# KiCad board poly_kb_molecule_8x5.kicad_pcb (continued)
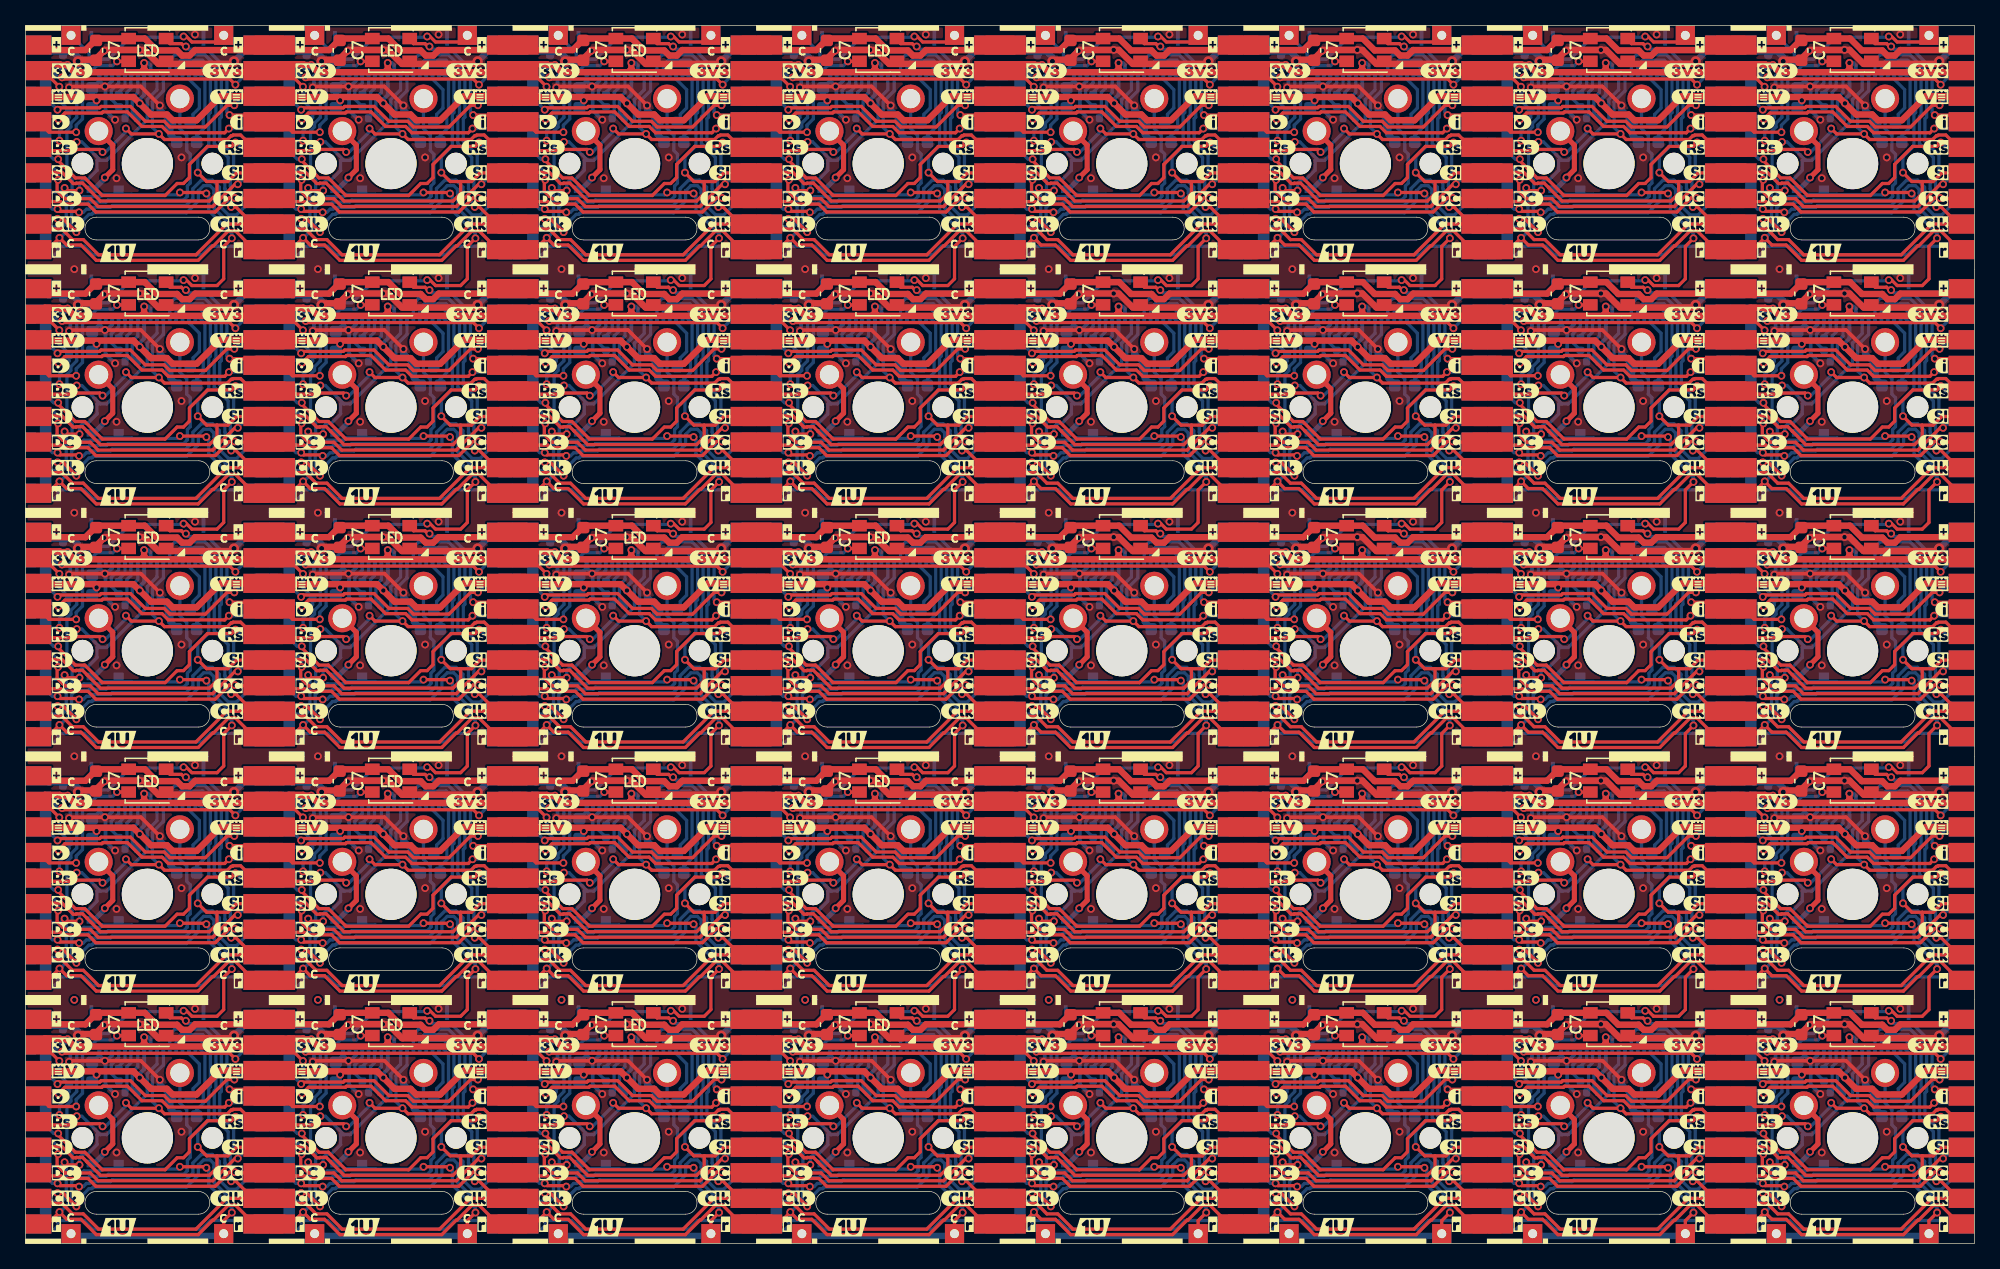
[diagram p0: board, top side]
## Routing (per net, layer and track width the routed paths; a pad name or vN(x,y) marks a point on that pad's centre or on a via; arc(x,y) is an arc through that point) (continued)
CS1: length 778
  Top w0.254: v1(98.1,53.1) 98.23,52.97 111.21,52.97 v1(111.66,52.53) ; v1(21.9,91.2) 22.03,91.07 35.01,91.07 v1(35.46,90.63) ; v1(54.51,90.63) 54.06,91.07 41.08,91.07 v1(40.95,91.2) ; v1(117.15,15) 117.28,14.87 130.26,14.87 v1(130.71,14.43) ; v1(149.76,90.63) 149.31,91.07 136.33,91.07 v1(136.2,91.2) ; v1(136.2,53.1) 136.33,52.97 149.31,52.97 v1(149.76,52.53) ; v1(35.46,14.43) 35.01,14.87 22.03,14.87 v1(21.9,15) ; v1(35.46,33.48) 35.01,33.92 22.03,33.92 v1(21.9,34.05) ; v1(92.61,71.58) 92.16,72.02 79.18,72.02 v1(79.05,72.15) ; v1(130.71,71.58) 130.26,72.02 117.28,72.02 v1(117.15,72.15) ; v1(60,34.05) 60.13,33.92 73.11,33.92 v1(73.56,33.48) ; v1(130.71,90.63) 130.26,91.07 117.28,91.07 v1(117.15,91.2) ; v1(60,91.2) 60.13,91.07 73.11,91.07 v1(73.56,90.63) ; v1(35.46,71.58) 35.01,72.02 22.03,72.02 v1(21.9,72.15) ; v1(73.56,52.53) 73.11,52.97 60.13,52.97 v1(60,53.1) ; v1(136.2,72.15) 136.33,72.02 149.31,72.02 v1(149.76,71.58) ; v1(117.15,53.1) 117.28,52.97 130.26,52.97 v1(130.71,52.53) ; v1(136.2,15) 136.33,14.87 149.31,14.87 v1(149.76,14.43) ; v1(2.85,53.1) 2.98,52.97 15.96,52.97 v1(16.41,52.53) ; v1(130.71,33.48) 130.26,33.92 117.28,33.92 v1(117.15,34.05) ; v1(79.05,15) 79.18,14.87 92.16,14.87 v1(92.61,14.43) ; v1(21.9,53.1) 22.03,52.97 35.01,52.97 v1(35.46,52.53) ; v1(98.1,34.05) 98.23,33.92 111.21,33.92 v1(111.66,33.48) ; v1(98.1,15) 98.23,14.87 111.21,14.87 v1(111.66,14.43) ; v1(98.1,91.2) 98.23,91.07 111.21,91.07 v1(111.66,90.63) ; v1(73.56,14.43) 73.11,14.87 60.13,14.87 v1(60,15) ; v1(111.66,71.58) 111.21,72.02 98.23,72.02 v1(98.1,72.15) ; v1(149.76,33.48) 149.31,33.92 136.33,33.92 v1(136.2,34.05) ; v1(79.05,91.2) 79.18,91.07 92.16,91.07 v1(92.61,90.63) ; v1(79.05,53.1) 79.18,52.97 92.16,52.97 v1(92.61,52.53) ; v1(54.51,71.58) 54.06,72.02 41.08,72.02 v1(40.95,72.15) ; v1(16.41,14.43) 15.96,14.87 2.98,14.87 v1(2.85,15) ; v1(16.41,71.58) 15.96,72.02 2.98,72.02 v1(2.85,72.15) ; v1(54.51,52.53) 54.06,52.97 41.08,52.97 v1(40.95,53.1) ; v1(79.05,34.05) 79.18,33.92 92.16,33.92 v1(92.61,33.48) ; v1(16.41,33.48) 15.96,33.92 2.98,33.92 v1(2.85,34.05) ; v1(54.51,33.48) 54.06,33.92 41.08,33.92 v1(40.95,34.05) ; v1(54.51,14.43) 54.06,14.87 41.08,14.87 v1(40.95,15) ; v1(2.85,91.2) 2.98,91.07 15.96,91.07 v1(16.41,90.63) ; v1(60,72.15) 60.13,72.02 73.11,72.02 v1(73.56,71.58)
  Bottom w0.254: v1(54.51,90.63) 55.61,91.72 55.88,91.72 ; v1(117.15,15) 116.82,15 116.62,15.2 116.62,15.77 116.43,15.96 116,15.96 115.57,15.53 ; 17.78,15.53 17.51,15.53 v1(16.41,14.43) ; 20.32,15.53 20.75,15.96 21.18,15.96 21.37,15.77 21.37,15.2 21.57,15 v1(21.9,15) ; 1.27,15.53 1.7,15.96 2.13,15.96 2.32,15.77 2.32,15.2 2.52,15 v1(2.85,15) ; 113.03,72.67 112.76,72.67 v1(111.66,71.58) ; v1(60,15) 59.67,15 59.47,15.2 59.47,15.77 59.28,15.96 58.85,15.96 58.42,15.53 ; 132.08,34.58 131.81,34.58 v1(130.71,33.48) ; v1(60,53.1) 59.67,53.1 59.47,53.3 59.47,53.87 59.28,54.06 58.85,54.06 58.42,53.62 ; 74.93,34.58 74.66,34.58 v1(73.56,33.48) ; 74.93,72.67 74.66,72.67 v1(73.56,71.58) ; v1(136.2,34.05) 135.87,34.05 135.67,34.25 135.67,34.82 135.48,35.01 135.05,35.01 134.62,34.58 ; 115.57,34.58 116,35.01 116.43,35.01 116.62,34.82 116.62,34.25 116.82,34.05 v1(117.15,34.05) ; 1.27,53.62 1.7,54.06 2.13,54.06 2.32,53.87 2.32,53.3 2.52,53.1 v1(2.85,53.1) ; v1(92.61,90.63) 93.71,91.72 93.98,91.72 ; v1(117.15,72.15) 116.82,72.15 116.62,72.35 116.62,72.92 116.43,73.11 116,73.11 115.57,72.67 ; 39.37,15.53 39.8,15.96 40.23,15.96 40.42,15.77 40.42,15.2 40.62,15 v1(40.95,15) ; 132.08,91.72 131.81,91.72 v1(130.71,90.63) ; 17.78,91.72 17.51,91.72 v1(16.41,90.63) ; v1(40.95,91.2) 40.62,91.2 40.42,91.4 40.42,91.97 40.23,92.16 39.8,92.16 39.37,91.72 ; 1.27,91.72 1.7,92.16 2.13,92.16 2.32,91.97 2.32,91.4 2.52,91.2 v1(2.85,91.2) ; v1(79.05,72.15) 78.72,72.15 78.52,72.35 78.52,72.92 78.33,73.11 77.9,73.11 77.47,72.67 ; v1(98.1,15) 97.77,15 97.57,15.2 97.57,15.77 97.38,15.96 96.95,15.96 96.52,15.53 ; 96.52,53.62 96.95,54.06 97.38,54.06 97.57,53.87 97.57,53.3 97.77,53.1 v1(98.1,53.1) ; v1(79.05,53.1) 78.72,53.1 78.52,53.3 78.52,53.87 78.33,54.06 77.9,54.06 77.47,53.62 ; 55.88,72.67 55.61,72.67 v1(54.51,71.58) ; v1(73.56,90.63) 74.66,91.72 74.93,91.72 ; v1(73.56,52.53) 74.66,53.62 74.93,53.62 ; v1(98.1,72.15) 97.77,72.15 97.57,72.35 97.57,72.92 97.38,73.11 96.95,73.11 96.52,72.67 ; v1(136.2,72.15) 135.87,72.15 135.67,72.35 135.67,72.92 135.48,73.11 135.05,73.11 134.62,72.67 ; v1(16.41,52.53) 17.51,53.62 17.78,53.62 ; v1(40.95,53.1) 40.62,53.1 40.42,53.3 40.42,53.87 40.23,54.06 39.8,54.06 39.37,53.62 ; 55.88,15.53 55.61,15.53 v1(54.51,14.43) ; v1(60,91.2) 59.67,91.2 59.47,91.4 59.47,91.97 59.28,92.16 58.85,92.16 58.42,91.72 ; v1(111.66,33.48) 112.76,34.58 113.03,34.58 ; v1(73.56,14.43) 74.66,15.53 74.93,15.53 ; v1(54.51,52.53) 55.61,53.62 55.88,53.62 ; 58.42,34.58 58.85,35.01 59.28,35.01 59.47,34.82 59.47,34.25 59.67,34.05 v1(60,34.05) ; v1(35.46,33.48) 36.56,34.58 36.83,34.58 ; v1(21.9,91.2) 21.57,91.2 21.37,91.4 21.37,91.97 21.18,92.16 20.75,92.16 20.32,91.72 ; 134.62,91.72 135.05,92.16 135.48,92.16 135.67,91.97 135.67,91.4 135.87,91.2 v1(136.2,91.2) ; 151.13,53.62 150.86,53.62 v1(149.76,52.53) ; v1(136.2,15) 135.87,15 135.67,15.2 135.67,15.77 135.48,15.96 135.05,15.96 134.62,15.53 ; 93.98,34.58 93.71,34.58 v1(92.61,33.48) ; v1(60,72.15) 59.67,72.15 59.47,72.35 59.47,72.92 59.28,73.11 58.85,73.11 58.42,72.67 ; v1(117.15,91.2) 116.82,91.2 116.62,91.4 116.62,91.97 116.43,92.16 116,92.16 115.57,91.72 ; v1(16.41,33.48) 17.51,34.58 17.78,34.58 ; v1(111.66,52.53) 112.76,53.62 113.03,53.62 ; v1(2.85,34.05) 2.52,34.05 2.32,34.25 2.32,34.82 2.13,35.01 1.7,35.01 1.27,34.58 ; 151.13,91.72 150.86,91.72 v1(149.76,90.63) ; 115.57,53.62 116,54.06 116.43,54.06 116.62,53.87 116.62,53.3 116.82,53.1 v1(117.15,53.1) ; v1(21.9,72.15) 21.57,72.15 21.37,72.35 21.37,72.92 21.18,73.11 20.75,73.11 20.32,72.67 ; v1(35.46,71.58) 36.56,72.67 36.83,72.67 ; v1(35.46,52.53) 36.56,53.62 36.83,53.62 ; v1(54.51,33.48) 55.61,34.58 55.88,34.58 ; 36.83,15.53 36.56,15.53 v1(35.46,14.43) ; v1(21.9,34.05) 21.57,34.05 21.37,34.25 21.37,34.82 21.18,35.01 20.75,35.01 20.32,34.58 ; 20.32,53.62 20.75,54.06 21.18,54.06 21.37,53.87 21.37,53.3 21.57,53.1 v1(21.9,53.1) ; v1(130.71,14.43) 131.81,15.53 132.08,15.53 ; 77.47,15.53 77.9,15.96 78.33,15.96 78.52,15.77 78.52,15.2 78.72,15 v1(79.05,15) ; 151.13,34.58 150.86,34.58 v1(149.76,33.48) ; v1(35.46,90.63) 36.56,91.72 36.83,91.72 ; 17.78,72.67 17.51,72.67 v1(16.41,71.58) ; 77.47,91.72 77.9,92.16 78.33,92.16 78.52,91.97 78.52,91.4 78.72,91.2 v1(79.05,91.2) ; v1(136.2,53.1) 135.87,53.1 135.67,53.3 135.67,53.87 135.48,54.06 135.05,54.06 134.62,53.62 ; 132.08,72.67 131.81,72.67 v1(130.71,71.58) ; 39.37,72.67 39.8,73.11 40.23,73.11 40.42,72.92 40.42,72.35 40.62,72.15 v1(40.95,72.15) ; 39.37,34.58 39.8,35.01 40.23,35.01 40.42,34.82 40.42,34.25 40.62,34.05 v1(40.95,34.05) ; v1(92.61,14.43) 93.71,15.53 93.98,15.53 ; 151.13,15.53 150.86,15.53 v1(149.76,14.43) ; v1(111.66,90.63) 112.76,91.72 113.03,91.72 ; 77.47,34.58 77.9,35.01 78.33,35.01 78.52,34.82 78.52,34.25 78.72,34.05 v1(79.05,34.05) ; 132.08,53.62 131.81,53.62 v1(130.71,52.53) ; 96.52,34.58 96.95,35.01 97.38,35.01 97.57,34.82 97.57,34.25 97.77,34.05 v1(98.1,34.05) ; 96.52,91.72 96.95,92.16 97.38,92.16 97.57,91.97 97.57,91.4 97.77,91.2 v1(98.1,91.2) ; v1(111.66,14.43) 112.76,15.53 113.03,15.53 ; 93.98,53.62 93.71,53.62 v1(92.61,52.53) ; v1(2.85,72.15) 2.52,72.15 2.32,72.35 2.32,72.92 2.13,73.11 1.7,73.11 1.27,72.67 ; v1(92.61,71.58) 93.71,72.67 93.98,72.67 ; v1(149.76,71.58) 150.86,72.67 151.13,72.67
  Bottom w1.5: J6#7.2 J5#38.2 ; J6#37.2 J5#16.2 ; J6#12.2 J5#23.2 ; J6#32.2 J5#14.2 ; J6#34.2 J5#39.2 ; J6#26.2 J5#6.2 ; J6#13.2 J5#22.2 ; J6#39.2 J5#40.2 ; J6#40.2 J5#19.2 ; J6#15.2 J5#11.2 ; J6#3.2 J5#25.2 ; J6#6.2 J5#33.2 ; J6#2.2 J5#35.2 ; J6#8.2 J5#5.2 ; J6#30.2 J5#36.2 ; J6#22.2 J5#24.2 ; J6#29.2 J5#26.2 ; J6.2 J5#32.2 ; J6#31.2 J5#18.2 ; J6#18.2 J5#37.2 ; J6#14.2 J5#12.2 ; J6#10.2 J5#15.2 ; J6#28.2 J5#10.2 ; J6#21.2 J5#17.2 ; J6#23.2 J5#8.2 ; J6#11.2 J5#31.2 ; J6#35.2 J5#13.2 ; J6#4.2 J5#2.2 ; J6#27.2 J5#4.2 ; J6#20.2 J5#20.2 ; J6#17.2 J5#29.2 ; J6#16.2 J5#9.2 ; J6#36.2 J5#30.2 ; J6#25.2 J5#7.2 ; J6#19.2 J5#28.2
CS2: length 762.6
  Top w0.254: v1(73.47,50.92) 72.91,50.92 71.21,49.22 68.43,49.22 67.99,49.66 66.51,49.66 65.35,50.83 63.05,50.83 62.94,50.72 59.79,50.72 v1(59.65,50.57) ; v1(59.65,12.47) 59.79,12.62 62.94,12.62 63.05,12.73 65.35,12.73 66.51,11.56 67.99,11.56 68.43,11.12 71.21,11.12 72.91,12.82 v1(73.47,12.82) ; v1(149.67,31.87) 149.11,31.87 147.41,30.17 144.63,30.17 144.19,30.61 142.71,30.61 141.55,31.78 139.25,31.78 139.14,31.67 135.99,31.67 v1(135.85,31.52) ; v1(97.75,88.67) 97.89,88.82 101.04,88.82 101.15,88.93 103.45,88.93 104.61,87.76 106.09,87.76 106.53,87.32 109.31,87.32 111.01,89.02 v1(111.57,89.02) ; v1(54.42,69.97) 53.86,69.97 52.16,68.27 49.38,68.27 48.94,68.71 47.46,68.71 46.3,69.88 44,69.88 43.89,69.77 40.74,69.77 v1(40.6,69.62) ; v1(35.37,89.02) 34.81,89.02 33.11,87.32 30.33,87.32 29.89,87.76 28.41,87.76 27.25,88.93 24.95,88.93 24.84,88.82 21.69,88.82 v1(21.55,88.67) ; v1(2.5,12.47) 2.64,12.62 5.79,12.62 5.9,12.73 8.2,12.73 9.36,11.56 10.84,11.56 11.28,11.12 14.06,11.12 15.76,12.82 v1(16.32,12.82) ; v1(97.75,69.62) 97.89,69.77 101.04,69.77 101.15,69.88 103.45,69.88 104.61,68.71 106.09,68.71 106.53,68.27 109.31,68.27 111.01,69.97 v1(111.57,69.97) ; v1(97.75,12.47) 97.89,12.62 101.04,12.62 101.15,12.73 103.45,12.73 104.61,11.56 106.09,11.56 106.53,11.12 109.31,11.12 111.01,12.82 v1(111.57,12.82) ; v1(78.7,31.52) 78.84,31.67 81.99,31.67 82.1,31.78 84.4,31.78 85.56,30.61 87.04,30.61 87.48,30.17 90.26,30.17 91.96,31.87 v1(92.52,31.87) ; v1(78.7,88.67) 78.84,88.82 81.99,88.82 82.1,88.93 84.4,88.93 85.56,87.76 87.04,87.76 87.48,87.32 90.26,87.32 91.96,89.02 v1(92.52,89.02) ; v1(116.8,31.52) 116.94,31.67 120.09,31.67 120.2,31.78 122.5,31.78 123.66,30.61 125.14,30.61 125.58,30.17 128.36,30.17 130.06,31.87 v1(130.62,31.87) ; v1(59.65,69.62) 59.79,69.77 62.94,69.77 63.05,69.88 65.35,69.88 66.51,68.71 67.99,68.71 68.43,68.27 71.21,68.27 72.91,69.97 v1(73.47,69.97) ; v1(149.67,50.92) 149.11,50.92 147.41,49.22 144.63,49.22 144.19,49.66 142.71,49.66 141.55,50.83 139.25,50.83 139.14,50.72 135.99,50.72 v1(135.85,50.57) ; v1(16.32,31.87) 15.76,31.87 14.06,30.17 11.28,30.17 10.84,30.61 9.36,30.61 8.2,31.78 5.9,31.78 5.79,31.67 2.64,31.67 v1(2.5,31.52) ; v1(116.8,12.47) 116.94,12.62 120.09,12.62 120.2,12.73 122.5,12.73 123.66,11.56 125.14,11.56 125.58,11.12 128.36,11.12 130.06,12.82 v1(130.62,12.82) ; v1(73.47,31.87) 72.91,31.87 71.21,30.17 68.43,30.17 67.99,30.61 66.51,30.61 65.35,31.78 63.05,31.78 62.94,31.67 59.79,31.67 v1(59.65,31.52) ; v1(92.52,50.92) 91.96,50.92 90.26,49.22 87.48,49.22 87.04,49.66 85.56,49.66 84.4,50.83 82.1,50.83 81.99,50.72 78.84,50.72 v1(78.7,50.57) ; v1(59.65,88.67) 59.79,88.82 62.94,88.82 63.05,88.93 65.35,88.93 66.51,87.76 67.99,87.76 68.43,87.32 71.21,87.32 72.91,89.02 v1(73.47,89.02) ; v1(2.5,69.62) 2.64,69.77 5.79,69.77 5.9,69.88 8.2,69.88 9.36,68.71 10.84,68.71 11.28,68.27 14.06,68.27 15.76,69.97 v1(16.32,69.97) ; v1(130.62,89.02) 130.06,89.02 128.36,87.32 125.58,87.32 125.14,87.76 123.66,87.76 122.5,88.93 120.2,88.93 120.09,88.82 116.94,88.82 v1(116.8,88.67) ; v1(40.6,50.57) 40.74,50.72 43.89,50.72 44,50.83 46.3,50.83 47.46,49.66 48.94,49.66 49.38,49.22 52.16,49.22 53.86,50.92 v1(54.42,50.92) ; v1(135.85,69.62) 135.99,69.77 139.14,69.77 139.25,69.88 141.55,69.88 142.71,68.71 144.19,68.71 144.63,68.27 147.41,68.27 149.11,69.97 v1(149.67,69.97) ; v1(21.55,50.57) 21.69,50.72 24.84,50.72 24.95,50.83 27.25,50.83 28.41,49.66 29.89,49.66 30.33,49.22 33.11,49.22 34.81,50.92 v1(35.37,50.92) ; v1(78.7,69.62) 78.84,69.77 81.99,69.77 82.1,69.88 84.4,69.88 85.56,68.71 87.04,68.71 87.48,68.27 90.26,68.27 91.96,69.97 v1(92.52,69.97) ; v1(116.8,50.57) 116.94,50.72 120.09,50.72 120.2,50.83 122.5,50.83 123.66,49.66 125.14,49.66 125.58,49.22 128.36,49.22 130.06,50.92 v1(130.62,50.92) ; v1(97.75,31.52) 97.89,31.67 101.04,31.67 101.15,31.78 103.45,31.78 104.61,30.61 106.09,30.61 106.53,30.17 109.31,30.17 111.01,31.87 v1(111.57,31.87) ; v1(2.5,88.67) 2.64,88.82 5.79,88.82 5.9,88.93 8.2,88.93 9.36,87.76 10.84,87.76 11.28,87.32 14.06,87.32 15.76,89.02 v1(16.32,89.02) ; v1(35.37,69.97) 34.81,69.97 33.11,68.27 30.33,68.27 29.89,68.71 28.41,68.71 27.25,69.88 24.95,69.88 24.84,69.77 21.69,69.77 v1(21.55,69.62) ; v1(97.75,50.57) 97.89,50.72 101.04,50.72 101.15,50.83 103.45,50.83 104.61,49.66 106.09,49.66 106.53,49.22 109.31,49.22 111.01,50.92 v1(111.57,50.92) ; v1(149.67,12.82) 149.11,12.82 147.41,11.12 144.63,11.12 144.19,11.56 142.71,11.56 141.55,12.73 139.25,12.73 139.14,12.62 135.99,12.62 v1(135.85,12.47) ; v1(78.7,12.47) 78.84,12.62 81.99,12.62 82.1,12.73 84.4,12.73 85.56,11.56 87.04,11.56 87.48,11.12 90.26,11.12 91.96,12.82 v1(92.52,12.82) ; v1(40.6,31.52) 40.74,31.67 43.89,31.67 44,31.78 46.3,31.78 47.46,30.61 48.94,30.61 49.38,30.17 52.16,30.17 53.86,31.87 v1(54.42,31.87) ; v1(40.6,12.47) 40.74,12.62 43.89,12.62 44,12.73 46.3,12.73 47.46,11.56 48.94,11.56 49.38,11.12 52.16,11.12 53.86,12.82 v1(54.42,12.82) ; v1(16.32,50.92) 15.76,50.92 14.06,49.22 11.28,49.22 10.84,49.66 9.36,49.66 8.2,50.83 5.9,50.83 5.79,50.72 2.64,50.72 v1(2.5,50.57) ; v1(21.55,12.47) 21.69,12.62 24.84,12.62 24.95,12.73 27.25,12.73 28.41,11.56 29.89,11.56 30.33,11.12 33.11,11.12 34.81,12.82 v1(35.37,12.82) ; v1(35.37,31.87) 34.81,31.87 33.11,30.17 30.33,30.17 29.89,30.61 28.41,30.61 27.25,31.78 24.95,31.78 24.84,31.67 21.69,31.67 v1(21.55,31.52) ; v1(149.67,89.02) 149.11,89.02 147.41,87.32 144.63,87.32 144.19,87.76 142.71,87.76 141.55,88.93 139.25,88.93 139.14,88.82 135.99,88.82 v1(135.85,88.67) ; v1(54.42,89.02) 53.86,89.02 52.16,87.32 49.38,87.32 48.94,87.76 47.46,87.76 46.3,88.93 44,88.93 43.89,88.82 40.74,88.82 v1(40.6,88.67) ; v1(116.8,69.62) 116.94,69.77 120.09,69.77 120.2,69.88 122.5,69.88 123.66,68.71 125.14,68.71 125.58,68.27 128.36,68.27 130.06,69.97 v1(130.62,69.97)
  Bottom w0.254: v1(59.65,88.67) 59.22,89.1 59.15,89.1 ; 17.78,13.53 17.03,13.53 v1(16.32,12.82) ; v1(130.62,50.92) 131.33,51.62 132.08,51.62 ; v1(35.37,31.87) 36.08,32.58 36.83,32.58 ; v1(130.62,12.82) 131.33,13.53 132.08,13.53 ; 74.93,51.62 74.18,51.62 v1(73.47,50.92) ; 55.88,89.72 55.13,89.72 v1(54.42,89.02) ; 55.88,13.53 55.13,13.53 v1(54.42,12.82) ; v1(73.47,31.87) 74.18,32.58 74.93,32.58 ; 116.3,12.9 116.37,12.9 v1(116.8,12.47) ; v1(21.55,50.57) 21.12,51 21.05,51 ; v1(16.32,89.02) 17.03,89.72 17.78,89.72 ; 135.35,51 135.42,51 v1(135.85,50.57) ; v1(116.8,69.62) 116.37,70.05 116.3,70.05 ; v1(21.55,69.62) 21.12,70.05 21.05,70.05 ; 36.83,89.72 36.08,89.72 v1(35.37,89.02) ; v1(2.5,50.57) 2.07,51 2,51 ; 78.2,89.1 78.27,89.1 v1(78.7,88.67) ; 132.08,70.67 131.33,70.67 v1(130.62,69.97) ; v1(73.47,12.82) 74.18,13.53 74.93,13.53 ; 151.13,13.53 150.38,13.53 v1(149.67,12.82) ; 21.05,89.1 21.12,89.1 v1(21.55,88.67) ; v1(92.52,69.97) 93.23,70.67 93.98,70.67 ; v1(40.6,12.47) 40.17,12.9 40.1,12.9 ; v1(16.32,31.87) 17.03,32.58 17.78,32.58 ; v1(54.42,31.87) 55.13,32.58 55.88,32.58 ; 93.98,51.62 93.23,51.62 v1(92.52,50.92) ; v1(40.6,69.62) 40.17,70.05 40.1,70.05 ; 40.1,89.1 40.17,89.1 v1(40.6,88.67) ; v1(135.85,69.62) 135.42,70.05 135.35,70.05 ; 21.05,12.9 21.12,12.9 v1(21.55,12.47) ; 36.83,13.53 36.08,13.53 v1(35.37,12.82) ; 113.03,51.62 112.28,51.62 v1(111.57,50.92) ; 132.08,32.58 131.33,32.58 v1(130.62,31.87) ; 151.13,32.58 150.38,32.58 v1(149.67,31.87) ; 78.2,12.9 78.27,12.9 v1(78.7,12.47) ; 40.1,31.95 40.17,31.95 v1(40.6,31.52) ; v1(116.8,31.52) 116.37,31.95 116.3,31.95 ; v1(59.65,31.52) 59.22,31.95 59.15,31.95 ; 97.25,89.1 97.32,89.1 v1(97.75,88.67) ; 55.88,51.62 55.13,51.62 v1(54.42,50.92) ; 2,12.9 2.07,12.9 v1(2.5,12.47) ; 151.13,51.62 150.38,51.62 v1(149.67,50.92) ; v1(130.62,89.02) 131.33,89.72 132.08,89.72 ; 113.03,89.72 112.28,89.72 v1(111.57,89.02) ; v1(97.75,69.62) 97.32,70.05 97.25,70.05 ; v1(111.57,69.97) 112.28,70.67 113.03,70.67 ; v1(73.47,89.02) 74.18,89.72 74.93,89.72 ; 78.2,31.95 78.27,31.95 v1(78.7,31.52) ; v1(35.37,50.92) 36.08,51.62 36.83,51.62 ; v1(2.5,31.52) 2.07,31.95 2,31.95 ; v1(2.5,88.67) 2.07,89.1 2,89.1 ; v1(59.65,12.47) 59.22,12.9 59.15,12.9 ; v1(78.7,69.62) 78.27,70.05 78.2,70.05 ; v1(149.67,69.97) 150.38,70.67 151.13,70.67 ; v1(97.75,50.57) 97.32,51 97.25,51 ; v1(135.85,31.52) 135.42,31.95 135.35,31.95 ; v1(40.6,50.57) 40.17,51 40.1,51 ; 55.88,70.67 55.13,70.67 v1(54.42,69.97) ; v1(149.67,89.02) 150.38,89.72 151.13,89.72 ; 113.03,32.58 112.28,32.58 v1(111.57,31.87) ; 113.03,13.53 112.28,13.53 v1(111.57,12.82) ; v1(92.52,89.02) 93.23,89.72 93.98,89.72 ; v1(92.52,12.82) 93.23,13.53 93.98,13.53 ; v1(135.85,12.47) 135.42,12.9 135.35,12.9 ; v1(116.8,50.57) 116.37,51 116.3,51 ; 135.35,89.1 135.42,89.1 v1(135.85,88.67) ; v1(92.52,31.87) 93.23,32.58 93.98,32.58 ; v1(35.37,69.97) 36.08,70.67 36.83,70.67 ; 59.15,70.05 59.22,70.05 v1(59.65,69.62) ; v1(16.32,50.92) 17.03,51.62 17.78,51.62 ; 17.78,70.67 17.03,70.67 v1(16.32,69.97) ; v1(116.8,88.67) 116.37,89.1 116.3,89.1 ; v1(2.5,69.62) 2.07,70.05 2,70.05 ; v1(73.47,69.97) 74.18,70.67 74.93,70.67 ; v1(97.75,31.52) 97.32,31.95 97.25,31.95 ; v1(97.75,12.47) 97.32,12.9 97.25,12.9 ; v1(21.55,31.52) 21.12,31.95 21.05,31.95 ; 59.15,51 59.22,51 v1(59.65,50.57) ; v1(78.7,50.57) 78.27,51 78.2,51
  Bottom w1.5: J6#23.3 J5#8.3 ; J6#25.3 J5#7.3 ; J6#3.3 J5#25.3 ; J6#36.3 J5#30.3 ; J6#21.3 J5#17.3 ; J6#12.3 J5#23.3 ; J6#27.3 J5#4.3 ; J6#32.3 J5#14.3 ; J6#15.3 J5#11.3 ; J6#6.3 J5#33.3 ; J6#19.3 J5#28.3 ; J6#17.3 J5#29.3 ; J6#34.3 J5#39.3 ; J6#29.3 J5#26.3 ; J6#37.3 J5#16.3 ; J6#10.3 J5#15.3 ; J6#16.3 J5#9.3 ; J6#14.3 J5#12.3 ; J6#28.3 J5#10.3 ; J6#18.3 J5#37.3 ; J6#39.3 J5#40.3 ; J6#22.3 J5#24.3 ; J6#20.3 J5#20.3 ; J6#31.3 J5#18.3 ; J6#35.3 J5#13.3 ; J6#13.3 J5#22.3 ; J6.3 J5#32.3 ; J6#4.3 J5#2.3 ; J6#30.3 J5#36.3 ; J6#8.3 J5#5.3 ; J6#11.3 J5#31.3 ; J6#2.3 J5#35.3 ; J6#40.3 J5#19.3 ; J6#7.3 J5#38.3 ; J6#26.3 J5#6.3
CS3: length 808.4
  Top w0.254: v1(116.87,11.71) 117.37,12.21 120.26,12.21 120.35,12.3 122.27,12.3 123.4,11.16 124.97,11.16 125.46,10.67 129.87,10.67 v1(130.2,11) ; v1(97.82,87.91) 98.32,88.41 101.21,88.41 101.3,88.5 103.22,88.5 104.35,87.36 105.92,87.36 106.41,86.87 110.82,86.87 v1(111.15,87.2) ; v1(135.92,49.81) 136.42,50.31 139.31,50.31 139.4,50.4 141.32,50.4 142.45,49.26 144.02,49.26 144.51,48.77 148.92,48.77 v1(149.25,49.1) ; v1(59.72,49.81) 60.22,50.31 63.11,50.31 63.2,50.4 65.12,50.4 66.25,49.26 67.82,49.26 68.31,48.77 72.72,48.77 v1(73.05,49.1) ; v1(149.25,30.05) 148.92,29.72 144.51,29.72 144.02,30.21 142.45,30.21 141.32,31.35 139.4,31.35 139.31,31.26 136.42,31.26 v1(135.92,30.76) ; v1(116.87,30.76) 117.37,31.26 120.26,31.26 120.35,31.35 122.27,31.35 123.4,30.21 124.97,30.21 125.46,29.72 129.87,29.72 v1(130.2,30.05) ; v1(135.92,11.71) 136.42,12.21 139.31,12.21 139.4,12.3 141.32,12.3 142.45,11.16 144.02,11.16 144.51,10.67 148.92,10.67 v1(149.25,11) ; v1(59.72,87.91) 60.22,88.41 63.11,88.41 63.2,88.5 65.12,88.5 66.25,87.36 67.82,87.36 68.31,86.87 72.72,86.87 v1(73.05,87.2) ; v1(15.9,49.1) 15.57,48.77 11.16,48.77 10.67,49.26 9.1,49.26 7.97,50.4 6.05,50.4 5.96,50.31 3.07,50.31 v1(2.57,49.81) ; v1(149.25,87.2) 148.92,86.87 144.51,86.87 144.02,87.36 142.45,87.36 141.32,88.5 139.4,88.5 139.31,88.41 136.42,88.41 v1(135.92,87.91) ; v1(135.92,68.86) 136.42,69.36 139.31,69.36 139.4,69.45 141.32,69.45 142.45,68.31 144.02,68.31 144.51,67.82 148.92,67.82 v1(149.25,68.15) ; v1(34.95,87.2) 34.62,86.87 30.21,86.87 29.72,87.36 28.15,87.36 27.02,88.5 25.1,88.5 25.01,88.41 22.12,88.41 v1(21.62,87.91) ; v1(34.95,49.1) 34.62,48.77 30.21,48.77 29.72,49.26 28.15,49.26 27.02,50.4 25.1,50.4 25.01,50.31 22.12,50.31 v1(21.62,49.81) ; v1(15.9,68.15) 15.57,67.82 11.16,67.82 10.67,68.31 9.1,68.31 7.97,69.45 6.05,69.45 5.96,69.36 3.07,69.36 v1(2.57,68.86) ; v1(34.95,68.15) 34.62,67.82 30.21,67.82 29.72,68.31 28.15,68.31 27.02,69.45 25.1,69.45 25.01,69.36 22.12,69.36 v1(21.62,68.86) ; v1(130.2,87.2) 129.87,86.87 125.46,86.87 124.97,87.36 123.4,87.36 122.27,88.5 120.35,88.5 120.26,88.41 117.37,88.41 v1(116.87,87.91) ; v1(40.67,30.76) 41.17,31.26 44.06,31.26 44.15,31.35 46.07,31.35 47.2,30.21 48.77,30.21 49.26,29.72 53.67,29.72 v1(54,30.05) ; v1(116.87,49.81) 117.37,50.31 120.26,50.31 120.35,50.4 122.27,50.4 123.4,49.26 124.97,49.26 125.46,48.77 129.87,48.77 v1(130.2,49.1) ; v1(54,11) 53.67,10.67 49.26,10.67 48.77,11.16 47.2,11.16 46.07,12.3 44.15,12.3 44.06,12.21 41.17,12.21 v1(40.67,11.71) ; v1(73.05,11) 72.72,10.67 68.31,10.67 67.82,11.16 66.25,11.16 65.12,12.3 63.2,12.3 63.11,12.21 60.22,12.21 v1(59.72,11.71) ; v1(40.67,68.86) 41.17,69.36 44.06,69.36 44.15,69.45 46.07,69.45 47.2,68.31 48.77,68.31 49.26,67.82 53.67,67.82 v1(54,68.15) ; v1(111.15,11) 110.82,10.67 106.41,10.67 105.92,11.16 104.35,11.16 103.22,12.3 101.3,12.3 101.21,12.21 98.32,12.21 v1(97.82,11.71) ; v1(111.15,30.05) 110.82,29.72 106.41,29.72 105.92,30.21 104.35,30.21 103.22,31.35 101.3,31.35 101.21,31.26 98.32,31.26 v1(97.82,30.76) ; v1(97.82,68.86) 98.32,69.36 101.21,69.36 101.3,69.45 103.22,69.45 104.35,68.31 105.92,68.31 106.41,67.82 110.82,67.82 v1(111.15,68.15) ; v1(92.1,30.05) 91.77,29.72 87.36,29.72 86.87,30.21 85.3,30.21 84.17,31.35 82.25,31.35 82.16,31.26 79.27,31.26 v1(78.77,30.76) ; v1(78.77,49.81) 79.27,50.31 82.16,50.31 82.25,50.4 84.17,50.4 85.3,49.26 86.87,49.26 87.36,48.77 91.77,48.77 v1(92.1,49.1) ; v1(78.77,87.91) 79.27,88.41 82.16,88.41 82.25,88.5 84.17,88.5 85.3,87.36 86.87,87.36 87.36,86.87 91.77,86.87 v1(92.1,87.2) ; v1(73.05,30.05) 72.72,29.72 68.31,29.72 67.82,30.21 66.25,30.21 65.12,31.35 63.2,31.35 63.11,31.26 60.22,31.26 v1(59.72,30.76) ; v1(40.67,87.91) 41.17,88.41 44.06,88.41 44.15,88.5 46.07,88.5 47.2,87.36 48.77,87.36 49.26,86.87 53.67,86.87 v1(54,87.2) ; v1(34.95,30.05) 34.62,29.72 30.21,29.72 29.72,30.21 28.15,30.21 27.02,31.35 25.1,31.35 25.01,31.26 22.12,31.26 v1(21.62,30.76) ; v1(73.05,68.15) 72.72,67.82 68.31,67.82 67.82,68.31 66.25,68.31 65.12,69.45 63.2,69.45 63.11,69.36 60.22,69.36 v1(59.72,68.86) ; v1(78.77,68.86) 79.27,69.36 82.16,69.36 82.25,69.45 84.17,69.45 85.3,68.31 86.87,68.31 87.36,67.82 91.77,67.82 v1(92.1,68.15) ; v1(2.57,11.71) 3.07,12.21 5.96,12.21 6.05,12.3 7.97,12.3 9.1,11.16 10.67,11.16 11.16,10.67 15.57,10.67 v1(15.9,11) ; v1(15.9,87.2) 15.57,86.87 11.16,86.87 10.67,87.36 9.1,87.36 7.97,88.5 6.05,88.5 5.96,88.41 3.07,88.41 v1(2.57,87.91) ; v1(21.62,11.71) 22.12,12.21 25.01,12.21 25.1,12.3 27.02,12.3 28.15,11.16 29.72,11.16 30.21,10.67 34.62,10.67 v1(34.95,11) ; v1(15.9,30.05) 15.57,29.72 11.16,29.72 10.67,30.21 9.1,30.21 7.97,31.35 6.05,31.35 5.96,31.26 3.07,31.26 v1(2.57,30.76) ; v1(130.2,68.15) 129.87,67.82 125.46,67.82 124.97,68.31 123.4,68.31 122.27,69.45 120.35,69.45 120.26,69.36 117.37,69.36 v1(116.87,68.86) ; v1(97.82,49.81) 98.32,50.31 101.21,50.31 101.3,50.4 103.22,50.4 104.35,49.26 105.92,49.26 106.41,48.77 110.82,48.77 v1(111.15,49.1) ; v1(54,49.1) 53.67,48.77 49.26,48.77 48.77,49.26 47.2,49.26 46.07,50.4 44.15,50.4 44.06,50.31 41.17,50.31 v1(40.67,49.81) ; v1(92.1,11) 91.77,10.67 87.36,10.67 86.87,11.16 85.3,11.16 84.17,12.3 82.25,12.3 82.16,12.21 79.27,12.21 v1(78.77,11.71)
  Bottom w0.254: 74.93,68.67 74.4,68.15 v1(73.05,68.15) ; J5#5.4 20,50.05 21.18,50.05 21.43,49.81 v1(21.62,49.81) ; J5#26.4 134.3,11.95 135.48,11.95 135.73,11.71 v1(135.92,11.71) ; v1(21.62,68.86) 21.43,68.86 21.18,69.1 20,69.1 J5#19.4 ; v1(59.72,11.71) 59.53,11.71 59.28,11.95 58.1,11.95 J5#6.4 ; v1(92.1,87.2) 93.45,87.2 93.98,87.72 ; v1(135.92,49.81) 135.73,49.81 135.48,50.05 134.3,50.05 J5#39.4 ; v1(54,49.1) 55.35,49.1 55.88,49.62 ; v1(40.67,68.86) 40.48,68.86 40.23,69.1 39.05,69.1 J5#35.4 ; J5#7.4 77.15,11.95 78.33,11.95 78.58,11.71 v1(78.77,11.71) ; v1(97.82,30.76) 97.63,30.76 97.38,31 96.2,31 J5#16.4 ; 151.13,30.58 150.6,30.05 v1(149.25,30.05) ; v1(97.82,11.71) 97.63,11.71 97.38,11.95 96.2,11.95 J5#8.4 ; v1(59.72,87.91) 59.53,87.91 59.28,88.15 58.1,88.15 J5#28.4 ; 55.88,11.53 55.35,11 v1(54,11) ; 132.08,68.67 131.55,68.15 v1(130.2,68.15) ; 113.03,68.67 112.5,68.15 v1(111.15,68.15) ; 151.13,11.53 150.6,11 v1(149.25,11) ; 151.13,49.62 150.6,49.1 v1(149.25,49.1) ; v1(111.15,30.05) 112.5,30.05 113.03,30.58 ; v1(130.2,30.05) 131.55,30.05 132.08,30.58 ; 17.78,11.53 17.25,11 v1(15.9,11) ; 36.83,30.58 36.3,30.05 v1(34.95,30.05) ; v1(78.77,30.76) 78.58,30.76 78.33,31 77.15,31 J5#12.4 ; v1(111.15,87.2) 112.5,87.2 113.03,87.72 ; v1(54,68.15) 55.35,68.15 55.88,68.67 ; v1(40.67,30.76) 40.48,30.76 40.23,31 39.05,31 J5#40.4 ; J5#15.4 77.15,69.1 78.33,69.1 78.58,68.86 v1(78.77,68.86) ; v1(15.9,30.05) 17.25,30.05 17.78,30.58 ; v1(97.82,49.81) 97.63,49.81 97.38,50.05 96.2,50.05 J5#14.4 ; v1(2.57,49.81) 2.38,49.81 2.13,50.05 0.95,50.05 J5#34.4 ; v1(116.87,49.81) 116.68,49.81 116.43,50.05 115.25,50.05 J5#9.4 ; v1(2.57,11.71) 2.38,11.71 2.13,11.95 0.95,11.95 J5#21.4 ; 93.98,68.67 93.45,68.15 v1(92.1,68.15) ; v1(40.67,87.91) 40.48,87.91 40.23,88.15 39.05,88.15 J5#2.4 ; J5#10.4 58.1,69.1 59.28,69.1 59.53,68.86 v1(59.72,68.86) ; J5#37.4 134.3,31 135.48,31 135.73,30.76 v1(135.92,30.76) ; v1(97.82,68.86) 97.63,68.86 97.38,69.1 96.2,69.1 J5#23.4 ; 74.93,87.72 74.4,87.2 v1(73.05,87.2) ; v1(78.77,87.91) 78.58,87.91 78.33,88.15 77.15,88.15 J5#11.4 ; v1(111.15,49.1) 112.5,49.1 113.03,49.62 ; v1(2.57,68.86) 2.38,68.86 2.13,69.1 0.95,69.1 J5#27.4 ; 17.78,68.67 17.25,68.15 v1(15.9,68.15) ; 93.98,11.53 93.45,11 v1(92.1,11) ; 36.83,49.62 36.3,49.1 v1(34.95,49.1) ; J5#24.4 77.15,50.05 78.33,50.05 78.58,49.81 v1(78.77,49.81) ; v1(92.1,30.05) 93.45,30.05 93.98,30.58 ; 36.83,87.72 36.3,87.2 v1(34.95,87.2) ; 74.93,49.62 74.4,49.1 v1(73.05,49.1) ; v1(54,87.2) 55.35,87.2 55.88,87.72 ; 132.08,11.53 131.55,11 v1(130.2,11) ; v1(149.25,87.2) 150.6,87.2 151.13,87.72 ; J5#30.4 115.25,31 116.43,31 116.68,30.76 v1(116.87,30.76) ; v1(130.2,49.1) 131.55,49.1 132.08,49.62 ; v1(97.82,87.91) 97.63,87.91 97.38,88.15 96.2,88.15 J5#22.4 ; J5#33.4 115.25,11.95 116.43,11.95 116.68,11.71 v1(116.87,11.71) ; v1(15.9,87.2) 17.25,87.2 17.78,87.72 ; v1(130.2,87.2) 131.55,87.2 132.08,87.72 ; v1(116.87,68.86) 116.68,68.86 116.43,69.1 115.25,69.1 J5#25.4 ; v1(21.62,30.76) 21.43,30.76 21.18,31 20,31 J5#31.4 ; J5#4.4 58.1,31 59.28,31 59.53,30.76 v1(59.72,30.76) ; v1(116.87,87.91) 116.68,87.91 116.43,88.15 115.25,88.15 J5#20.4 ; 93.98,49.62 93.45,49.1 v1(92.1,49.1) ; 113.03,11.53 112.5,11 v1(111.15,11) ; 17.78,49.62 17.25,49.1 v1(15.9,49.1) ; v1(2.57,30.76) 2.38,30.76 2.13,31 0.95,31 J5#3.4 ; v1(21.62,87.91) 21.43,87.91 21.18,88.15 20,88.15 J5#32.4 ; v1(59.72,49.81) 59.53,49.81 59.28,50.05 58.1,50.05 J5#29.4 ; v1(34.95,11) 36.3,11 36.83,11.53 ; v1(40.67,49.81) 40.48,49.81 40.23,50.05 39.05,50.05 J5#17.4 ; 151.13,68.67 150.6,68.15 v1(149.25,68.15) ; v1(34.95,68.15) 36.3,68.15 36.83,68.67 ; v1(54,30.05) 55.35,30.05 55.88,30.58 ; J5#18.4 20,11.95 21.18,11.95 21.43,11.71 v1(21.62,11.71) ; 74.93,11.53 74.4,11 v1(73.05,11) ; v1(2.57,87.91) 2.38,87.91 2.13,88.15 0.95,88.15 J5.4 ; J5#13.4 134.3,88.15 135.48,88.15 135.73,87.91 v1(135.92,87.91) ; v1(40.67,11.71) 40.48,11.71 40.23,11.95 39.05,11.95 J5#36.4 ; J5#38.4 134.3,69.1 135.48,69.1 135.73,68.86 v1(135.92,68.86) ; 74.93,30.58 74.4,30.05 v1(73.05,30.05)
  Bottom w0.3: 97.05,88.19 97.02,88.22 ; 78,31.04 77.97,31.08 ; 39.9,11.99 39.87,12.03 ; 78,11.99 77.97,12.03 ; 1.8,88.19 1.77,88.22 ; 39.9,50.09 39.87,50.12 ; 116.1,69.14 116.07,69.17 ; 78,69.14 77.97,69.17 ; 20.85,69.14 20.82,69.17 ; 116.1,88.19 116.07,88.22 ; 1.8,31.04 1.77,31.08 ; 135.15,50.09 135.12,50.12 ; 78,50.09 77.97,50.12 ; 39.9,31.04 39.87,31.08 ; 1.8,50.09 1.77,50.12 ; 58.95,11.99 58.92,12.03 ; 20.85,11.99 20.82,12.03 ; 97.05,31.04 97.02,31.08 ; 135.15,88.19 135.12,88.22 ; 20.85,88.19 20.82,88.22 ; 58.95,50.09 58.92,50.12 ; 116.1,11.99 116.07,12.03 ; 97.05,11.99 97.02,12.03 ; 78,88.19 77.97,88.22 ; 135.15,31.04 135.12,31.08 ; 20.85,31.04 20.82,31.08 ; 1.8,11.99 1.77,12.03 ; 20.85,50.09 20.82,50.12 ; 135.15,11.99 135.12,12.03 ; 39.9,88.19 39.87,88.22 ; 39.9,69.14 39.87,69.17 ; 97.05,50.09 97.02,50.12 ; 58.95,88.19 58.92,88.22 ; 1.8,69.14 1.77,69.17 ; 116.1,50.09 116.07,50.12 ; 58.95,69.14 58.92,69.17 ; 58.95,31.04 58.92,31.08 ; 116.1,31.04 116.07,31.08 ; 135.15,69.14 135.12,69.17 ; 97.05,69.14 97.02,69.17
  Bottom w1.5: J6#8.4 J5#5.4 ; J6#36.4 J5#30.4 ; J6#10.4 J5#15.4 ; J6#26.4 J5#6.4 ; J6#20.4 J5#20.4 ; J6#22.4 J5#24.4 ; J6#12.4 J5#23.4 ; J6#40.4 J5#19.4 ; J6#16.4 J5#9.4 ; J6#2.4 J5#35.4 ; J6#27.4 J5#4.4 ; J6#18.4 J5#37.4 ; J6#7.4 J5#38.4 ; J6#29.4 J5#26.4 ; J6#28.4 J5#10.4 ; J6#30.4 J5#36.4 ; J6#3.4 J5#25.4 ; J6#25.4 J5#7.4 ; J6#4.4 J5#2.4 ; J6#15.4 J5#11.4 ; J6#37.4 J5#16.4 ; J6#31.4 J5#18.4 ; J6#11.4 J5#31.4 ; J6#39.4 J5#40.4 ; J6#35.4 J5#13.4 ; J6#21.4 J5#17.4 ; J6#19.4 J5#28.4 ; J6#17.4 J5#29.4 ; J6#6.4 J5#33.4 ; J6#32.4 J5#14.4 ; J6.4 J5#32.4 ; J6#34.4 J5#39.4 ; J6#13.4 J5#22.4 ; J6#14.4 J5#12.4 ; J6#23.4 J5#8.4
CS4: length 878.3
  Top w0.254: v1(73.56,67.05) 73.26,66.75 71.37,66.75 69.96,65.34 69.96,64.31 69.5,63.85 69,63.85 68.06,62.91 63.15,62.91 61.78,64.28 61.04,64.28 59.7,65.63 v1(59.7,65.75) ; v1(21.6,8.6) 21.6,8.48 22.94,7.13 23.68,7.13 25.05,5.76 29.96,5.76 30.9,6.7 31.4,6.7 31.86,7.16 31.86,8.19 33.27,9.6 35.16,9.6 v1(35.46,9.9) ; v1(78.75,46.7) 78.75,46.58 80.09,45.23 80.83,45.23 82.2,43.86 87.11,43.86 88.05,44.8 88.55,44.8 89.01,45.26 89.01,46.29 90.42,47.7 92.31,47.7 v1(92.61,48) ; v1(59.7,46.7) 59.7,46.58 61.04,45.23 61.78,45.23 63.15,43.86 68.06,43.86 69,44.8 69.5,44.8 69.96,45.26 69.96,46.29 71.37,47.7 73.26,47.7 v1(73.56,48) ; v1(116.85,8.6) 116.85,8.48 118.19,7.13 118.93,7.13 120.3,5.76 125.21,5.76 126.15,6.7 126.65,6.7 127.11,7.16 127.11,8.19 128.52,9.6 130.41,9.6 v1(130.71,9.9) ; v1(54.51,48) 54.21,47.7 52.32,47.7 50.91,46.29 50.91,45.26 50.45,44.8 49.95,44.8 49.01,43.86 44.1,43.86 42.73,45.23 41.99,45.23 40.65,46.58 v1(40.65,46.7) ; v1(135.9,46.7) 135.9,46.58 137.24,45.23 137.98,45.23 139.35,43.86 144.26,43.86 145.2,44.8 145.7,44.8 146.16,45.26 146.16,46.29 147.57,47.7 149.46,47.7 v1(149.76,48) ; v1(97.8,46.7) 97.8,46.58 99.14,45.23 99.88,45.23 101.25,43.86 106.16,43.86 107.1,44.8 107.6,44.8 108.06,45.26 108.06,46.29 109.47,47.7 111.36,47.7 v1(111.66,48) ; v1(73.56,28.95) 73.26,28.65 71.37,28.65 69.96,27.24 69.96,26.21 69.5,25.75 69,25.75 68.06,24.81 63.15,24.81 61.78,26.18 61.04,26.18 59.7,27.53 v1(59.7,27.65) ; v1(97.8,84.8) 97.8,84.68 99.14,83.33 99.88,83.33 101.25,81.96 106.16,81.96 107.1,82.9 107.6,82.9 108.06,83.36 108.06,84.39 109.47,85.8 111.36,85.8 v1(111.66,86.1) ; v1(40.65,27.65) 40.65,27.53 41.99,26.18 42.73,26.18 44.1,24.81 49.01,24.81 49.95,25.75 50.45,25.75 50.91,26.21 50.91,27.24 52.32,28.65 54.21,28.65 v1(54.51,28.95) ; v1(35.46,28.95) 35.16,28.65 33.27,28.65 31.86,27.24 31.86,26.21 31.4,25.75 30.9,25.75 29.96,24.81 25.05,24.81 23.68,26.18 22.94,26.18 21.6,27.53 v1(21.6,27.65) ; v1(92.61,28.95) 92.31,28.65 90.42,28.65 89.01,27.24 89.01,26.21 88.55,25.75 88.05,25.75 87.11,24.81 82.2,24.81 80.83,26.18 80.09,26.18 78.75,27.53 v1(78.75,27.65) ; v1(116.85,46.7) 116.85,46.58 118.19,45.23 118.93,45.23 120.3,43.86 125.21,43.86 126.15,44.8 126.65,44.8 127.11,45.26 127.11,46.29 128.52,47.7 130.41,47.7 v1(130.71,48) ; v1(92.61,67.05) 92.31,66.75 90.42,66.75 89.01,65.34 89.01,64.31 88.55,63.85 88.05,63.85 87.11,62.91 82.2,62.91 80.83,64.28 80.09,64.28 78.75,65.63 v1(78.75,65.75) ; v1(21.6,65.75) 21.6,65.63 22.94,64.28 23.68,64.28 25.05,62.91 29.96,62.91 30.9,63.85 31.4,63.85 31.86,64.31 31.86,65.34 33.27,66.75 35.16,66.75 v1(35.46,67.05) ; v1(2.55,65.75) 2.55,65.63 3.89,64.28 4.63,64.28 6,62.91 10.91,62.91 11.85,63.85 12.35,63.85 12.81,64.31 12.81,65.34 14.22,66.75 16.11,66.75 v1(16.41,67.05) ; v1(135.9,27.65) 135.9,27.53 137.24,26.18 137.98,26.18 139.35,24.81 144.26,24.81 145.2,25.75 145.7,25.75 146.16,26.21 146.16,27.24 147.57,28.65 149.46,28.65 v1(149.76,28.95) ; v1(35.46,86.1) 35.16,85.8 33.27,85.8 31.86,84.39 31.86,83.36 31.4,82.9 30.9,82.9 29.96,81.96 25.05,81.96 23.68,83.33 22.94,83.33 21.6,84.68 v1(21.6,84.8) ; v1(92.61,86.1) 92.31,85.8 90.42,85.8 89.01,84.39 89.01,83.36 88.55,82.9 88.05,82.9 87.11,81.96 82.2,81.96 80.83,83.33 80.09,83.33 78.75,84.68 v1(78.75,84.8) ; v1(16.41,9.9) 16.11,9.6 14.22,9.6 12.81,8.19 12.81,7.16 12.35,6.7 11.85,6.7 10.91,5.76 6,5.76 4.63,7.13 3.89,7.13 2.55,8.48 v1(2.55,8.6) ; v1(16.41,28.95) 16.11,28.65 14.22,28.65 12.81,27.24 12.81,26.21 12.35,25.75 11.85,25.75 10.91,24.81 6,24.81 4.63,26.18 3.89,26.18 2.55,27.53 v1(2.55,27.65) ; v1(59.7,84.8) 59.7,84.68 61.04,83.33 61.78,83.33 63.15,81.96 68.06,81.96 69,82.9 69.5,82.9 69.96,83.36 69.96,84.39 71.37,85.8 73.26,85.8 v1(73.56,86.1) ; v1(40.65,65.75) 40.65,65.63 41.99,64.28 42.73,64.28 44.1,62.91 49.01,62.91 49.95,63.85 50.45,63.85 50.91,64.31 50.91,65.34 52.32,66.75 54.21,66.75 v1(54.51,67.05) ; v1(73.56,9.9) 73.26,9.6 71.37,9.6 69.96,8.19 69.96,7.16 69.5,6.7 69,6.7 68.06,5.76 63.15,5.76 61.78,7.13 61.04,7.13 59.7,8.48 v1(59.7,8.6) ; v1(116.85,27.65) 116.85,27.53 118.19,26.18 118.93,26.18 120.3,24.81 125.21,24.81 126.15,25.75 126.65,25.75 127.11,26.21 127.11,27.24 128.52,28.65 130.41,28.65 v1(130.71,28.95) ; v1(54.51,9.9) 54.21,9.6 52.32,9.6 50.91,8.19 50.91,7.16 50.45,6.7 49.95,6.7 49.01,5.76 44.1,5.76 42.73,7.13 41.99,7.13 40.65,8.48 v1(40.65,8.6) ; v1(149.76,67.05) 149.46,66.75 147.57,66.75 146.16,65.34 146.16,64.31 145.7,63.85 145.2,63.85 144.26,62.91 139.35,62.91 137.98,64.28 137.24,64.28 135.9,65.63 v1(135.9,65.75) ; v1(35.46,48) 35.16,47.7 33.27,47.7 31.86,46.29 31.86,45.26 31.4,44.8 30.9,44.8 29.96,43.86 25.05,43.86 23.68,45.23 22.94,45.23 21.6,46.58 v1(21.6,46.7) ; v1(135.9,8.6) 135.9,8.48 137.24,7.13 137.98,7.13 139.35,5.76 144.26,5.76 145.2,6.7 145.7,6.7 146.16,7.16 146.16,8.19 147.57,9.6 149.46,9.6 v1(149.76,9.9) ; v1(111.66,67.05) 111.36,66.75 109.47,66.75 108.06,65.34 108.06,64.31 107.6,63.85 107.1,63.85 106.16,62.91 101.25,62.91 99.88,64.28 99.14,64.28 97.8,65.63 v1(97.8,65.75) ; v1(2.55,84.8) 2.55,84.68 3.89,83.33 4.63,83.33 6,81.96 10.91,81.96 11.85,82.9 12.35,82.9 12.81,83.36 12.81,84.39 14.22,85.8 16.11,85.8 v1(16.41,86.1) ; v1(92.61,9.9) 92.31,9.6 90.42,9.6 89.01,8.19 89.01,7.16 88.55,6.7 88.05,6.7 87.11,5.76 82.2,5.76 80.83,7.13 80.09,7.13 78.75,8.48 v1(78.75,8.6) ; v1(135.9,84.8) 135.9,84.68 137.24,83.33 137.98,83.33 139.35,81.96 144.26,81.96 145.2,82.9 145.7,82.9 146.16,83.36 146.16,84.39 147.57,85.8 149.46,85.8 v1(149.76,86.1) ; v1(111.66,9.9) 111.36,9.6 109.47,9.6 108.06,8.19 108.06,7.16 107.6,6.7 107.1,6.7 106.16,5.76 101.25,5.76 99.88,7.13 99.14,7.13 97.8,8.48 v1(97.8,8.6) ; v1(97.8,27.65) 97.8,27.53 99.14,26.18 99.88,26.18 101.25,24.81 106.16,24.81 107.1,25.75 107.6,25.75 108.06,26.21 108.06,27.24 109.47,28.65 111.36,28.65 v1(111.66,28.95) ; v1(130.71,67.05) 130.41,66.75 128.52,66.75 127.11,65.34 127.11,64.31 126.65,63.85 126.15,63.85 125.21,62.91 120.3,62.91 118.93,64.28 118.19,64.28 116.85,65.63 v1(116.85,65.75) ; v1(116.85,84.8) 116.85,84.68 118.19,83.33 118.93,83.33 120.3,81.96 125.21,81.96 126.15,82.9 126.65,82.9 127.11,83.36 127.11,84.39 128.52,85.8 130.41,85.8 v1(130.71,86.1) ; v1(2.55,46.7) 2.55,46.58 3.89,45.23 4.63,45.23 6,43.86 10.91,43.86 11.85,44.8 12.35,44.8 12.81,45.26 12.81,46.29 14.22,47.7 16.11,47.7 v1(16.41,48) ; v1(54.51,86.1) 54.21,85.8 52.32,85.8 50.91,84.39 50.91,83.36 50.45,82.9 49.95,82.9 49.01,81.96 44.1,81.96 42.73,83.33 41.99,83.33 40.65,84.68 v1(40.65,84.8)